# KiCad board SparkFun_BMV080_panelized.kicad_pcb (continued)
## Placement (name value [footprint] x y rotation side) (continued)
JP2#7  AB0  [Jumper_3_NC-1_Trace_NoSilk]  40.14 53.67 0 bottom
JP2#8  AB0  [Jumper_3_NC-1_Trace_NoSilk]  40.14 93.27 0 bottom
JP2#9  AB0  [Jumper_3_NC-1_Trace_NoSilk]  64.77 14.07 0 bottom
JP2#10  AB0  [Jumper_3_NC-1_Trace_NoSilk]  64.77 53.67 0 bottom
JP2#11  AB0  [Jumper_3_NC-1_Trace_NoSilk]  64.77 40.47 0 bottom
JP2#12  AB0  [Jumper_3_NC-1_Trace_NoSilk]  40.14 80.07 0 bottom
JP2#13  AB0  [Jumper_3_NC-1_Trace_NoSilk]  64.77 119.67 0 bottom
JP2#14  AB0  [Jumper_3_NC-1_Trace_NoSilk]  15.51 66.87 0 bottom
JP2#15  AB0  [Jumper_3_NC-1_Trace_NoSilk]  15.51 40.47 0 bottom
JP2#16  AB0  [Jumper_3_NC-1_Trace_NoSilk]  15.51 80.07 0 bottom
JP2#17  AB0  [Jumper_3_NC-1_Trace_NoSilk]  15.51 106.47 0 bottom
JP2#18  AB0  [Jumper_3_NC-1_Trace_NoSilk]  40.14 14.07 0 bottom
JP2#19  AB0  [Jumper_3_NC-1_Trace_NoSilk]  40.14 40.47 0 bottom
JP2#20  AB0  [Jumper_3_NC-1_Trace_NoSilk]  40.14 66.87 0 bottom
JP2#21  AB0  [Jumper_3_NC-1_Trace_NoSilk]  40.14 106.47 0 bottom
JP2#22  AB0  [Jumper_3_NC-1_Trace_NoSilk]  40.14 119.67 0 bottom
JP2#23  AB0  [Jumper_3_NC-1_Trace_NoSilk]  64.77 27.27 0 bottom
JP2#24  AB0  [Jumper_3_NC-1_Trace_NoSilk]  64.77 93.27 0 bottom
JP2#25  AB0  [Jumper_3_NC-1_Trace_NoSilk]  64.77 80.07 0 bottom
JP2#26  AB0  [Jumper_3_NC-1_Trace_NoSilk]  64.77 106.47 0 bottom
JP2#27  AB0  [Jumper_3_NC-1_Trace_NoSilk]  64.77 66.87 0 bottom
JP2#28  AB0  [Jumper_3_NC-1_Trace_NoSilk]  89.4 80.07 0 bottom
JP2#29  AB0  [Jumper_3_NC-1_Trace_NoSilk]  114.03 106.47 0 bottom
JP2#30  AB0  [Jumper_3_NC-1_Trace_NoSilk]  138.66 14.07 0 bottom
JP2#31  AB0  [Jumper_3_NC-1_Trace_NoSilk]  138.66 40.47 0 bottom
JP2#32  AB0  [Jumper_3_NC-1_Trace_NoSilk]  89.4 27.27 0 bottom
JP2#33  AB0  [Jumper_3_NC-1_Trace_NoSilk]  89.4 40.47 0 bottom
JP2#34  AB0  [Jumper_3_NC-1_Trace_NoSilk]  89.4 66.87 0 bottom
JP2#35  AB0  [Jumper_3_NC-1_Trace_NoSilk]  89.4 93.27 0 bottom
JP2#36  AB0  [Jumper_3_NC-1_Trace_NoSilk]  114.03 40.47 0 bottom
JP2#37  AB0  [Jumper_3_NC-1_Trace_NoSilk]  114.03 14.07 0 bottom
JP2#38  AB0  [Jumper_3_NC-1_Trace_NoSilk]  114.03 27.27 0 bottom
JP2#39  AB0  [Jumper_3_NC-1_Trace_NoSilk]  89.4 14.07 0 bottom
JP2#40  AB0  [Jumper_3_NC-1_Trace_NoSilk]  114.03 53.67 0 bottom
JP2#41  AB0  [Jumper_3_NC-1_Trace_NoSilk]  114.03 66.87 0 bottom
JP2#42  AB0  [Jumper_3_NC-1_Trace_NoSilk]  114.03 80.07 0 bottom
JP2#43  AB0  [Jumper_3_NC-1_Trace_NoSilk]  89.4 53.67 0 bottom
JP2#44  AB0  [Jumper_3_NC-1_Trace_NoSilk]  114.03 93.27 0 bottom
JP2#45  AB0  [Jumper_3_NC-1_Trace_NoSilk]  89.4 106.47 0 bottom
JP2#46  AB0  [Jumper_3_NC-1_Trace_NoSilk]  89.4 119.67 0 bottom
JP2#47  AB0  [Jumper_3_NC-1_Trace_NoSilk]  114.03 119.67 0 bottom
JP2#48  AB0  [Jumper_3_NC-1_Trace_NoSilk]  138.66 27.27 0 bottom
JP2#49  AB0  [Jumper_3_NC-1_Trace_NoSilk]  138.66 53.67 0 bottom
JP2#50  AB0  [Jumper_3_NC-1_Trace_NoSilk]  138.66 66.87 0 bottom
JP2#51  AB0  [Jumper_3_NC-1_Trace_NoSilk]  138.66 106.47 0 bottom
JP2#52  AB0  [Jumper_3_NC-1_Trace_NoSilk]  138.66 80.07 0 bottom
JP2#53  AB0  [Jumper_3_NC-1_Trace_NoSilk]  138.66 119.67 0 bottom
JP2#54  AB0  [Jumper_3_NC-1_Trace_NoSilk]  138.66 93.27 0 bottom
JP3  AB1  [Jumper_3_NC-1_Trace_NoSilk]  29.97 10.69 270 bottom
JP3#2  AB1  [Jumper_3_NC-1_Trace_NoSilk]  29.97 89.89 270 bottom
JP3#3  AB1  [Jumper_3_NC-1_Trace_NoSilk]  29.97 116.29 270 bottom
JP3#4  AB1  [Jumper_3_NC-1_Trace_NoSilk]  29.97 23.89 270 bottom
JP3#5  AB1  [Jumper_3_NC-1_Trace_NoSilk]  29.97 76.69 270 bottom
JP3#6  AB1  [Jumper_3_NC-1_Trace_NoSilk]  29.97 63.49 270 bottom
JP3#7  AB1  [Jumper_3_NC-1_Trace_NoSilk]  29.97 37.09 270 bottom
JP3#8  AB1  [Jumper_3_NC-1_Trace_NoSilk]  29.97 50.29 270 bottom
JP3#9  AB1  [Jumper_3_NC-1_Trace_NoSilk]  29.97 103.09 270 bottom
JP3#10  AB1  [Jumper_3_NC-1_Trace_NoSilk]  79.23 103.09 270 bottom
JP3#11  AB1  [Jumper_3_NC-1_Trace_NoSilk]  79.23 10.69 270 bottom
JP3#12  AB1  [Jumper_3_NC-1_Trace_NoSilk]  54.6 23.89 270 bottom
JP3#13  AB1  [Jumper_3_NC-1_Trace_NoSilk]  54.6 50.29 270 bottom
JP3#14  AB1  [Jumper_3_NC-1_Trace_NoSilk]  79.23 23.89 270 bottom
JP3#15  AB1  [Jumper_3_NC-1_Trace_NoSilk]  79.23 50.29 270 bottom
JP3#16  AB1  [Jumper_3_NC-1_Trace_NoSilk]  103.86 76.69 270 bottom
JP3#17  AB1  [Jumper_3_NC-1_Trace_NoSilk]  54.6 10.69 270 bottom
JP3#18  AB1  [Jumper_3_NC-1_Trace_NoSilk]  54.6 76.69 270 bottom
JP3#19  AB1  [Jumper_3_NC-1_Trace_NoSilk]  54.6 116.29 270 bottom
JP3#20  AB1  [Jumper_3_NC-1_Trace_NoSilk]  79.23 37.09 270 bottom
JP3#21  AB1  [Jumper_3_NC-1_Trace_NoSilk]  54.6 89.89 270 bottom
JP3#22  AB1  [Jumper_3_NC-1_Trace_NoSilk]  54.6 63.49 270 bottom
JP3#23  AB1  [Jumper_3_NC-1_Trace_NoSilk]  79.23 63.49 270 bottom
JP3#24  AB1  [Jumper_3_NC-1_Trace_NoSilk]  79.23 89.89 270 bottom
JP3#25  AB1  [Jumper_3_NC-1_Trace_NoSilk]  54.6 37.09 270 bottom
JP3#26  AB1  [Jumper_3_NC-1_Trace_NoSilk]  54.6 103.09 270 bottom
JP3#27  AB1  [Jumper_3_NC-1_Trace_NoSilk]  79.23 76.69 270 bottom
JP3#28  AB1  [Jumper_3_NC-1_Trace_NoSilk]  79.23 116.29 270 bottom
JP3#29  AB1  [Jumper_3_NC-1_Trace_NoSilk]  103.86 10.69 270 bottom
JP3#30  AB1  [Jumper_3_NC-1_Trace_NoSilk]  103.86 63.49 270 bottom
JP3#31  AB1  [Jumper_3_NC-1_Trace_NoSilk]  103.86 23.89 270 bottom
JP3#32  AB1  [Jumper_3_NC-1_Trace_NoSilk]  103.86 50.29 270 bottom
JP3#33  AB1  [Jumper_3_NC-1_Trace_NoSilk]  103.86 37.09 270 bottom
JP3#34  AB1  [Jumper_3_NC-1_Trace_NoSilk]  103.86 89.89 270 bottom
JP3#35  AB1  [Jumper_3_NC-1_Trace_NoSilk]  103.86 103.09 270 bottom
JP3#36  AB1  [Jumper_3_NC-1_Trace_NoSilk]  128.49 37.09 270 bottom
JP3#37  AB1  [Jumper_3_NC-1_Trace_NoSilk]  128.49 50.29 270 bottom
JP3#38  AB1  [Jumper_3_NC-1_Trace_NoSilk]  128.49 63.49 270 bottom
JP3#39  AB1  [Jumper_3_NC-1_Trace_NoSilk]  128.49 10.69 270 bottom
JP3#40  AB1  [Jumper_3_NC-1_Trace_NoSilk]  128.49 23.89 270 bottom
JP3#41  AB1  [Jumper_3_NC-1_Trace_NoSilk]  128.49 76.69 270 bottom
JP3#42  AB1  [Jumper_3_NC-1_Trace_NoSilk]  103.86 116.29 270 bottom
JP3#43  AB1  [Jumper_3_NC-1_Trace_NoSilk]  153.12 116.29 270 bottom
JP3#44  AB1  [Jumper_3_NC-1_Trace_NoSilk]  128.49 103.09 270 bottom
JP3#45  AB1  [Jumper_3_NC-1_Trace_NoSilk]  153.12 37.09 270 bottom
JP3#46  AB1  [Jumper_3_NC-1_Trace_NoSilk]  153.12 50.29 270 bottom
JP3#47  AB1  [Jumper_3_NC-1_Trace_NoSilk]  153.12 76.69 270 bottom
JP3#48  AB1  [Jumper_3_NC-1_Trace_NoSilk]  153.12 89.89 270 bottom
JP3#49  AB1  [Jumper_3_NC-1_Trace_NoSilk]  128.49 89.89 270 bottom
JP3#50  AB1  [Jumper_3_NC-1_Trace_NoSilk]  153.12 23.89 270 bottom
JP3#51  AB1  [Jumper_3_NC-1_Trace_NoSilk]  153.12 63.49 270 bottom
JP3#52  AB1  [Jumper_3_NC-1_Trace_NoSilk]  153.12 103.09 270 bottom
JP3#53  AB1  [Jumper_3_NC-1_Trace_NoSilk]  153.12 10.69 270 bottom
JP3#54  AB1  [Jumper_3_NC-1_Trace_NoSilk]  128.49 116.29 270 bottom
JP4  I2C  [Jumper_3_NC-2_Trace_NoSilk]  20.1 14.02 180 bottom
JP4#2  I2C  [Jumper_3_NC-2_Trace_NoSilk]  20.1 80.02 180 bottom
JP4#3  I2C  [Jumper_3_NC-2_Trace_NoSilk]  44.73 14.02 180 bottom
JP4#4  I2C  [Jumper_3_NC-2_Trace_NoSilk]  20.1 93.22 180 bottom
JP4#5  I2C  [Jumper_3_NC-2_Trace_NoSilk]  20.1 27.22 180 bottom
JP4#6  I2C  [Jumper_3_NC-2_Trace_NoSilk]  20.1 40.42 180 bottom
JP4#7  I2C  [Jumper_3_NC-2_Trace_NoSilk]  20.1 53.62 180 bottom
JP4#8  I2C  [Jumper_3_NC-2_Trace_NoSilk]  20.1 66.82 180 bottom
JP4#9  I2C  [Jumper_3_NC-2_Trace_NoSilk]  20.1 106.42 180 bottom
JP4#10  I2C  [Jumper_3_NC-2_Trace_NoSilk]  20.1 119.62 180 bottom
JP4#11  I2C  [Jumper_3_NC-2_Trace_NoSilk]  69.36 53.62 180 bottom
JP4#12  I2C  [Jumper_3_NC-2_Trace_NoSilk]  93.99 27.22 180 bottom
JP4#13  I2C  [Jumper_3_NC-2_Trace_NoSilk]  44.73 93.22 180 bottom
JP4#14  I2C  [Jumper_3_NC-2_Trace_NoSilk]  69.36 14.02 180 bottom
JP4#15  I2C  [Jumper_3_NC-2_Trace_NoSilk]  69.36 27.22 180 bottom
JP4#16  I2C  [Jumper_3_NC-2_Trace_NoSilk]  69.36 66.82 180 bottom
JP4#17  I2C  [Jumper_3_NC-2_Trace_NoSilk]  69.36 80.02 180 bottom
JP4#18  I2C  [Jumper_3_NC-2_Trace_NoSilk]  44.73 27.22 180 bottom
JP4#19  I2C  [Jumper_3_NC-2_Trace_NoSilk]  44.73 80.02 180 bottom
JP4#20  I2C  [Jumper_3_NC-2_Trace_NoSilk]  44.73 40.42 180 bottom
JP4#21  I2C  [Jumper_3_NC-2_Trace_NoSilk]  44.73 66.82 180 bottom
JP4#22  I2C  [Jumper_3_NC-2_Trace_NoSilk]  44.73 106.42 180 bottom
JP4#23  I2C  [Jumper_3_NC-2_Trace_NoSilk]  44.73 119.62 180 bottom
JP4#24  I2C  [Jumper_3_NC-2_Trace_NoSilk]  69.36 40.42 180 bottom
JP4#25  I2C  [Jumper_3_NC-2_Trace_NoSilk]  69.36 93.22 180 bottom
JP4#26  I2C  [Jumper_3_NC-2_Trace_NoSilk]  69.36 119.62 180 bottom
JP4#27  I2C  [Jumper_3_NC-2_Trace_NoSilk]  69.36 106.42 180 bottom
JP4#28  I2C  [Jumper_3_NC-2_Trace_NoSilk]  44.73 53.62 180 bottom
JP4#29  I2C  [Jumper_3_NC-2_Trace_NoSilk]  93.99 14.02 180 bottom
JP4#30  I2C  [Jumper_3_NC-2_Trace_NoSilk]  93.99 119.62 180 bottom
JP4#31  I2C  [Jumper_3_NC-2_Trace_NoSilk]  118.62 40.42 180 bottom
JP4#32  I2C  [Jumper_3_NC-2_Trace_NoSilk]  93.99 106.42 180 bottom
JP4#33  I2C  [Jumper_3_NC-2_Trace_NoSilk]  118.62 80.02 180 bottom
JP4#34  I2C  [Jumper_3_NC-2_Trace_NoSilk]  118.62 93.22 180 bottom
JP4#35  I2C  [Jumper_3_NC-2_Trace_NoSilk]  118.62 106.42 180 bottom
JP4#36  I2C  [Jumper_3_NC-2_Trace_NoSilk]  93.99 80.02 180 bottom
JP4#37  I2C  [Jumper_3_NC-2_Trace_NoSilk]  118.62 14.02 180 bottom
JP4#38  I2C  [Jumper_3_NC-2_Trace_NoSilk]  118.62 66.82 180 bottom
JP4#39  I2C  [Jumper_3_NC-2_Trace_NoSilk]  118.62 119.62 180 bottom
JP4#40  I2C  [Jumper_3_NC-2_Trace_NoSilk]  118.62 53.62 180 bottom
JP4#41  I2C  [Jumper_3_NC-2_Trace_NoSilk]  93.99 53.62 180 bottom
JP4#42  I2C  [Jumper_3_NC-2_Trace_NoSilk]  118.62 27.22 180 bottom
JP4#43  I2C  [Jumper_3_NC-2_Trace_NoSilk]  143.25 14.02 180 bottom
JP4#44  I2C  [Jumper_3_NC-2_Trace_NoSilk]  143.25 27.22 180 bottom
JP4#45  I2C  [Jumper_3_NC-2_Trace_NoSilk]  93.99 66.82 180 bottom
JP4#46  I2C  [Jumper_3_NC-2_Trace_NoSilk]  93.99 40.42 180 bottom
JP4#47  I2C  [Jumper_3_NC-2_Trace_NoSilk]  93.99 93.22 180 bottom
JP4#48  I2C  [Jumper_3_NC-2_Trace_NoSilk]  143.25 80.02 180 bottom
JP4#49  I2C  [Jumper_3_NC-2_Trace_NoSilk]  143.25 53.62 180 bottom
JP4#50  I2C  [Jumper_3_NC-2_Trace_NoSilk]  143.25 119.62 180 bottom
JP4#51  I2C  [Jumper_3_NC-2_Trace_NoSilk]  143.25 106.42 180 bottom
JP4#52  I2C  [Jumper_3_NC-2_Trace_NoSilk]  143.25 40.42 180 bottom
JP4#53  I2C  [Jumper_3_NC-2_Trace_NoSilk]  143.25 66.82 180 bottom
JP4#54  I2C  [Jumper_3_NC-2_Trace_NoSilk]  143.25 93.22 180 bottom
kibuzzard-66BFB450  G***  [kibuzzard-66BFB450]  45.99 45.09 0 top
kibuzzard-66BFB450#2  G***  [kibuzzard-66BFB450]  21.36 97.89 0 top
kibuzzard-66BFB450#3  G***  [kibuzzard-66BFB450]  45.99 84.69 0 top
kibuzzard-66BFB450#4  G***  [kibuzzard-66BFB450]  21.36 124.29 0 top
kibuzzard-66BFB450#5  G***  [kibuzzard-66BFB450]  70.62 18.69 0 top
kibuzzard-66BFB450#6  G***  [kibuzzard-66BFB450]  21.36 84.69 0 top
kibuzzard-66BFB450#7  G***  [kibuzzard-66BFB450]  21.36 71.49 0 top
kibuzzard-66BFB450#8  G***  [kibuzzard-66BFB450]  21.36 111.09 0 top
kibuzzard-66BFB450#9  G***  [kibuzzard-66BFB450]  45.99 31.89 0 top
kibuzzard-66BFB450#10  G***  [kibuzzard-66BFB450]  21.36 31.89 0 top
kibuzzard-66BFB450#11  G***  [kibuzzard-66BFB450]  21.36 45.09 0 top
kibuzzard-66BFB450#12  G***  [kibuzzard-66BFB450]  21.36 58.29 0 top
kibuzzard-66BFB450#13  G***  [kibuzzard-66BFB450]  45.99 18.69 0 top
kibuzzard-66BFB450#14  G***  [kibuzzard-66BFB450]  45.99 58.29 0 top
kibuzzard-66BFB450#15  G***  [kibuzzard-66BFB450]  45.99 71.49 0 top
kibuzzard-66BFB450#16  G***  [kibuzzard-66BFB450]  45.99 97.89 0 top
kibuzzard-66BFB450#17  G***  [kibuzzard-66BFB450]  45.99 111.09 0 top
kibuzzard-66BFB450#18  G***  [kibuzzard-66BFB450]  45.99 124.29 0 top
kibuzzard-66BFB450#19  G***  [kibuzzard-66BFB450]  95.25 45.09 0 top
kibuzzard-66BFB450#20  G***  [kibuzzard-66BFB450]  95.25 97.89 0 top
kibuzzard-66BFB450#21  G***  [kibuzzard-66BFB450]  95.25 31.89 0 top
kibuzzard-66BFB450#22  G***  [kibuzzard-66BFB450]  95.25 58.29 0 top
kibuzzard-66BFB450#23  G***  [kibuzzard-66BFB450]  119.88 58.29 0 top
kibuzzard-66BFB450#24  G***  [kibuzzard-66BFB450]  119.88 84.69 0 top
kibuzzard-66BFB450#25  G***  [kibuzzard-66BFB450]  70.62 71.49 0 top
kibuzzard-66BFB450#26  G***  [kibuzzard-66BFB450]  95.25 18.69 0 top
kibuzzard-66BFB450#27  G***  [kibuzzard-66BFB450]  70.62 111.09 0 top
kibuzzard-66BFB450#28  G***  [kibuzzard-66BFB450]  70.62 124.29 0 top
kibuzzard-66BFB450#29  G***  [kibuzzard-66BFB450]  70.62 31.89 0 top
kibuzzard-66BFB450#30  G***  [kibuzzard-66BFB450]  70.62 58.29 0 top
kibuzzard-66BFB450#31  G***  [kibuzzard-66BFB450]  95.25 124.29 0 top
kibuzzard-66BFB450#32  G***  [kibuzzard-66BFB450]  95.25 71.49 0 top
kibuzzard-66BFB450#33  G***  [kibuzzard-66BFB450]  119.88 18.69 0 top
kibuzzard-66BFB450#34  G***  [kibuzzard-66BFB450]  70.62 45.09 0 top
kibuzzard-66BFB450#35  G***  [kibuzzard-66BFB450]  70.62 97.89 0 top
kibuzzard-66BFB450#36  G***  [kibuzzard-66BFB450]  70.62 84.69 0 top
kibuzzard-66BFB450#37  G***  [kibuzzard-66BFB450]  95.25 84.69 0 top
kibuzzard-66BFB450#38  G***  [kibuzzard-66BFB450]  95.25 111.09 0 top
kibuzzard-66BFB450#39  G***  [kibuzzard-66BFB450]  119.88 31.89 0 top
kibuzzard-66BFB450#40  G***  [kibuzzard-66BFB450]  119.88 45.09 0 top
kibuzzard-66BFB450#41  G***  [kibuzzard-66BFB450]  119.88 71.49 0 top
kibuzzard-66BFB450#42  G***  [kibuzzard-66BFB450]  144.51 111.09 0 top
kibuzzard-66BFB450#43  G***  [kibuzzard-66BFB450]  144.51 84.69 0 top
kibuzzard-66BFB450#44  G***  [kibuzzard-66BFB450]  119.88 97.89 0 top
kibuzzard-66BFB450#45  G***  [kibuzzard-66BFB450]  119.88 111.09 0 top
kibuzzard-66BFB450#46  G***  [kibuzzard-66BFB450]  144.51 18.69 0 top
kibuzzard-66BFB450#47  G***  [kibuzzard-66BFB450]  119.88 124.29 0 top
kibuzzard-66BFB450#48  G***  [kibuzzard-66BFB450]  144.51 31.89 0 top
kibuzzard-66BFB450#49  G***  [kibuzzard-66BFB450]  144.51 45.09 0 top
kibuzzard-66BFB450#50  G***  [kibuzzard-66BFB450]  144.51 58.29 0 top
kibuzzard-66BFB450#51  G***  [kibuzzard-66BFB450]  144.51 97.89 0 top
kibuzzard-66BFB450#52  G***  [kibuzzard-66BFB450]  144.51 71.49 0 top
kibuzzard-66BFB450#53  G***  [kibuzzard-66BFB450]  144.51 124.29 0 top
kibuzzard-66BFB450#54  G***  [kibuzzard-66BFB450]  21.36 18.69 0 top
kibuzzard-66BFBF9D  G***  [kibuzzard-66BFBF9D]  46.05 50.62 90 top
kibuzzard-66BFBF9D#2  G***  [kibuzzard-66BFBF9D]  144.57 103.42 90 top
kibuzzard-66BFBF9D#3  G***  [kibuzzard-66BFBF9D]  144.57 77.02 90 top
kibuzzard-66BFBF9D#4  G***  [kibuzzard-66BFBF9D]  144.57 116.62 90 top
kibuzzard-66BFBF9D#5  G***  [kibuzzard-66BFBF9D]  144.57 90.22 90 top
kibuzzard-66BFBF9D#6  G***  [kibuzzard-66BFBF9D]  119.94 103.42 90 top
kibuzzard-66BFBF9D#7  G***  [kibuzzard-66BFBF9D]  119.94 77.02 90 top
kibuzzard-66BFBF9D#8  G***  [kibuzzard-66BFBF9D]  119.94 116.62 90 top
kibuzzard-66BFBF9D#9  G***  [kibuzzard-66BFBF9D]  144.57 37.42 90 top
kibuzzard-66BFBF9D#10  G***  [kibuzzard-66BFBF9D]  119.94 90.22 90 top
kibuzzard-66BFBF9D#11  G***  [kibuzzard-66BFBF9D]  144.57 24.22 90 top
kibuzzard-66BFBF9D#12  G***  [kibuzzard-66BFBF9D]  144.57 11.02 90 top
kibuzzard-66BFBF9D#13  G***  [kibuzzard-66BFBF9D]  144.57 50.62 90 top
kibuzzard-66BFBF9D#14  G***  [kibuzzard-66BFBF9D]  144.57 63.82 90 top
kibuzzard-66BFBF9D#15  G***  [kibuzzard-66BFBF9D]  21.42 24.22 90 top
kibuzzard-66BFBF9D#16  G***  [kibuzzard-66BFBF9D]  21.42 50.62 90 top
kibuzzard-66BFBF9D#17  G***  [kibuzzard-66BFBF9D]  21.42 37.42 90 top
kibuzzard-66BFBF9D#18  G***  [kibuzzard-66BFBF9D]  46.05 37.42 90 top
kibuzzard-66BFBF9D#19  G***  [kibuzzard-66BFBF9D]  46.05 24.22 90 top
kibuzzard-66BFBF9D#20  G***  [kibuzzard-66BFBF9D]  46.05 90.22 90 top
kibuzzard-66BFBF9D#21  G***  [kibuzzard-66BFBF9D]  21.42 116.62 90 top
kibuzzard-66BFBF9D#22  G***  [kibuzzard-66BFBF9D]  46.05 116.62 90 top
kibuzzard-66BFBF9D#23  G***  [kibuzzard-66BFBF9D]  21.42 63.82 90 top
kibuzzard-66BFBF9D#24  G***  [kibuzzard-66BFBF9D]  21.42 77.02 90 top
kibuzzard-66BFBF9D#25  G***  [kibuzzard-66BFBF9D]  21.42 103.42 90 top
kibuzzard-66BFBF9D#26  G***  [kibuzzard-66BFBF9D]  46.05 11.02 90 top
kibuzzard-66BFBF9D#27  G***  [kibuzzard-66BFBF9D]  46.05 63.82 90 top
kibuzzard-66BFBF9D#28  G***  [kibuzzard-66BFBF9D]  21.42 90.22 90 top
kibuzzard-66BFBF9D#29  G***  [kibuzzard-66BFBF9D]  46.05 77.02 90 top
kibuzzard-66BFBF9D#30  G***  [kibuzzard-66BFBF9D]  70.68 50.62 90 top
kibuzzard-66BFBF9D#31  G***  [kibuzzard-66BFBF9D]  46.05 103.42 90 top
kibuzzard-66BFBF9D#32  G***  [kibuzzard-66BFBF9D]  70.68 11.02 90 top
kibuzzard-66BFBF9D#33  G***  [kibuzzard-66BFBF9D]  70.68 37.42 90 top
kibuzzard-66BFBF9D#34  G***  [kibuzzard-66BFBF9D]  70.68 24.22 90 top
kibuzzard-66BFBF9D#35  G***  [kibuzzard-66BFBF9D]  119.94 11.02 90 top
kibuzzard-66BFBF9D#36  G***  [kibuzzard-66BFBF9D]  119.94 50.62 90 top
kibuzzard-66BFBF9D#37  G***  [kibuzzard-66BFBF9D]  95.31 77.02 90 top
kibuzzard-66BFBF9D#38  G***  [kibuzzard-66BFBF9D]  119.94 24.22 90 top
kibuzzard-66BFBF9D#39  G***  [kibuzzard-66BFBF9D]  95.31 90.22 90 top
kibuzzard-66BFBF9D#40  G***  [kibuzzard-66BFBF9D]  119.94 63.82 90 top
kibuzzard-66BFBF9D#41  G***  [kibuzzard-66BFBF9D]  70.68 77.02 90 top
kibuzzard-66BFBF9D#42  G***  [kibuzzard-66BFBF9D]  70.68 90.22 90 top
kibuzzard-66BFBF9D#43  G***  [kibuzzard-66BFBF9D]  70.68 116.62 90 top
kibuzzard-66BFBF9D#44  G***  [kibuzzard-66BFBF9D]  95.31 37.42 90 top
kibuzzard-66BFBF9D#45  G***  [kibuzzard-66BFBF9D]  95.31 50.62 90 top
kibuzzard-66BFBF9D#46  G***  [kibuzzard-66BFBF9D]  70.68 103.42 90 top
kibuzzard-66BFBF9D#47  G***  [kibuzzard-66BFBF9D]  95.31 24.22 90 top
kibuzzard-66BFBF9D#48  G***  [kibuzzard-66BFBF9D]  95.31 63.82 90 top
kibuzzard-66BFBF9D#49  G***  [kibuzzard-66BFBF9D]  95.31 103.42 90 top
kibuzzard-66BFBF9D#50  G***  [kibuzzard-66BFBF9D]  95.31 116.62 90 top
kibuzzard-66BFBF9D#51  G***  [kibuzzard-66BFBF9D]  70.68 63.82 90 top
kibuzzard-66BFBF9D#52  G***  [kibuzzard-66BFBF9D]  95.31 11.02 90 top
kibuzzard-66BFBF9D#53  G***  [kibuzzard-66BFBF9D]  119.94 37.42 90 top
kibuzzard-66BFBF9D#54  G***  [kibuzzard-66BFBF9D]  21.42 11.02 90 top
kibuzzard-66BFBF9D#55  G***  [kibuzzard-66BFBF9D]  21.45 11.01 90 bottom
kibuzzard-66BFBF9D#56  G***  [kibuzzard-66BFBF9D]  21.45 103.41 90 bottom
kibuzzard-66BFBF9D#57  G***  [kibuzzard-66BFBF9D]  70.71 11.01 90 bottom
kibuzzard-66BFBF9D#58  G***  [kibuzzard-66BFBF9D]  21.45 90.21 90 bottom
kibuzzard-66BFBF9D#59  G***  [kibuzzard-66BFBF9D]  46.08 37.41 90 bottom
kibuzzard-66BFBF9D#60  G***  [kibuzzard-66BFBF9D]  46.08 103.41 90 bottom
kibuzzard-66BFBF9D#61  G***  [kibuzzard-66BFBF9D]  21.45 24.21 90 bottom
kibuzzard-66BFBF9D#62  G***  [kibuzzard-66BFBF9D]  21.45 77.01 90 bottom
kibuzzard-66BFBF9D#63  G***  [kibuzzard-66BFBF9D]  21.45 50.61 90 bottom
kibuzzard-66BFBF9D#64  G***  [kibuzzard-66BFBF9D]  21.45 116.61 90 bottom
kibuzzard-66BFBF9D#65  G***  [kibuzzard-66BFBF9D]  46.08 50.61 90 bottom
kibuzzard-66BFBF9D#66  G***  [kibuzzard-66BFBF9D]  46.08 63.81 90 bottom
kibuzzard-66BFBF9D#67  G***  [kibuzzard-66BFBF9D]  46.08 77.01 90 bottom
kibuzzard-66BFBF9D#68  G***  [kibuzzard-66BFBF9D]  46.08 116.61 90 bottom
kibuzzard-66BFBF9D#69  G***  [kibuzzard-66BFBF9D]  21.45 63.81 90 bottom
kibuzzard-66BFBF9D#70  G***  [kibuzzard-66BFBF9D]  70.71 24.21 90 bottom
kibuzzard-66BFBF9D#71  G***  [kibuzzard-66BFBF9D]  21.45 37.41 90 bottom
kibuzzard-66BFBF9D#72  G***  [kibuzzard-66BFBF9D]  46.08 11.01 90 bottom
kibuzzard-66BFBF9D#73  G***  [kibuzzard-66BFBF9D]  46.08 90.21 90 bottom
kibuzzard-66BFBF9D#74  G***  [kibuzzard-66BFBF9D]  46.08 24.21 90 bottom
kibuzzard-66BFBF9D#75  G***  [kibuzzard-66BFBF9D]  70.71 63.81 90 bottom
kibuzzard-66BFBF9D#76  G***  [kibuzzard-66BFBF9D]  70.71 77.01 90 bottom
kibuzzard-66BFBF9D#77  G***  [kibuzzard-66BFBF9D]  70.71 103.41 90 bottom
kibuzzard-66BFBF9D#78  G***  [kibuzzard-66BFBF9D]  95.34 50.61 90 bottom
kibuzzard-66BFBF9D#79  G***  [kibuzzard-66BFBF9D]  119.97 24.21 90 bottom
kibuzzard-66BFBF9D#80  G***  [kibuzzard-66BFBF9D]  70.71 37.41 90 bottom
kibuzzard-66BFBF9D#81  G***  [kibuzzard-66BFBF9D]  95.34 103.41 90 bottom
kibuzzard-66BFBF9D#82  G***  [kibuzzard-66BFBF9D]  119.97 11.01 90 bottom
kibuzzard-66BFBF9D#83  G***  [kibuzzard-66BFBF9D]  70.71 50.61 90 bottom
kibuzzard-66BFBF9D#84  G***  [kibuzzard-66BFBF9D]  95.34 63.81 90 bottom
kibuzzard-66BFBF9D#85  G***  [kibuzzard-66BFBF9D]  144.6 37.41 90 bottom
kibuzzard-66BFBF9D#86  G***  [kibuzzard-66BFBF9D]  95.34 116.61 90 bottom
kibuzzard-66BFBF9D#87  G***  [kibuzzard-66BFBF9D]  119.97 63.81 90 bottom
kibuzzard-66BFBF9D#88  G***  [kibuzzard-66BFBF9D]  95.34 77.01 90 bottom
kibuzzard-66BFBF9D#89  G***  [kibuzzard-66BFBF9D]  119.97 37.41 90 bottom
kibuzzard-66BFBF9D#90  G***  [kibuzzard-66BFBF9D]  70.71 90.21 90 bottom
kibuzzard-66BFBF9D#91  G***  [kibuzzard-66BFBF9D]  119.97 50.61 90 bottom
kibuzzard-66BFBF9D#92  G***  [kibuzzard-66BFBF9D]  70.71 116.61 90 bottom
kibuzzard-66BFBF9D#93  G***  [kibuzzard-66BFBF9D]  95.34 11.01 90 bottom
kibuzzard-66BFBF9D#94  G***  [kibuzzard-66BFBF9D]  95.34 24.21 90 bottom
kibuzzard-66BFBF9D#95  G***  [kibuzzard-66BFBF9D]  95.34 37.41 90 bottom
kibuzzard-66BFBF9D#96  G***  [kibuzzard-66BFBF9D]  95.34 90.21 90 bottom
kibuzzard-66BFBF9D#97  G***  [kibuzzard-66BFBF9D]  119.97 77.01 90 bottom
kibuzzard-66BFBF9D#98  G***  [kibuzzard-66BFBF9D]  119.97 90.21 90 bottom
kibuzzard-66BFBF9D#99  G***  [kibuzzard-66BFBF9D]  119.97 103.41 90 bottom
kibuzzard-66BFBF9D#100  G***  [kibuzzard-66BFBF9D]  119.97 116.61 90 bottom
kibuzzard-66BFBF9D#101  G***  [kibuzzard-66BFBF9D]  144.6 11.01 90 bottom
kibuzzard-66BFBF9D#102  G***  [kibuzzard-66BFBF9D]  144.6 24.21 90 bottom
kibuzzard-66BFBF9D#103  G***  [kibuzzard-66BFBF9D]  144.6 116.61 90 bottom
kibuzzard-66BFBF9D#104  G***  [kibuzzard-66BFBF9D]  144.6 50.61 90 bottom
kibuzzard-66BFBF9D#105  G***  [kibuzzard-66BFBF9D]  144.6 103.41 90 bottom
kibuzzard-66BFBF9D#106  G***  [kibuzzard-66BFBF9D]  144.6 63.81 90 bottom
kibuzzard-66BFBF9D#107  G***  [kibuzzard-66BFBF9D]  144.6 90.21 90 bottom
kibuzzard-66BFBF9D#108  G***  [kibuzzard-66BFBF9D]  144.6 77.01 90 bottom
kibuzzard-66BFBF23  G***  [kibuzzard-66BFBF23]  18.88 24.54 90 top
kibuzzard-66BFBF23#2  G***  [kibuzzard-66BFBF23]  18.88 116.94 90 top
kibuzzard-66BFBF23#3  G***  [kibuzzard-66BFBF23]  18.88 37.74 90 top
kibuzzard-66BFBF23#4  G***  [kibuzzard-66BFBF23]  18.88 50.94 90 top
kibuzzard-66BFBF23#5  G***  [kibuzzard-66BFBF23]  18.88 64.14 90 top
kibuzzard-66BFBF23#6  G***  [kibuzzard-66BFBF23]  18.88 77.34 90 top
kibuzzard-66BFBF23#7  G***  [kibuzzard-66BFBF23]  18.88 90.54 90 top
kibuzzard-66BFBF23#8  G***  [kibuzzard-66BFBF23]  18.88 103.74 90 top
kibuzzard-66BFBF23#9  G***  [kibuzzard-66BFBF23]  43.51 24.54 90 top
kibuzzard-66BFBF23#10  G***  [kibuzzard-66BFBF23]  43.51 103.74 90 top
kibuzzard-66BFBF23#11  G***  [kibuzzard-66BFBF23]  43.51 37.74 90 top
kibuzzard-66BFBF23#12  G***  [kibuzzard-66BFBF23]  43.51 77.34 90 top
kibuzzard-66BFBF23#13  G***  [kibuzzard-66BFBF23]  43.51 50.94 90 top
kibuzzard-66BFBF23#14  G***  [kibuzzard-66BFBF23]  92.77 64.14 90 top
kibuzzard-66BFBF23#15  G***  [kibuzzard-66BFBF23]  43.51 90.54 90 top
kibuzzard-66BFBF23#16  G***  [kibuzzard-66BFBF23]  68.14 24.54 90 top
kibuzzard-66BFBF23#17  G***  [kibuzzard-66BFBF23]  68.14 37.74 90 top
kibuzzard-66BFBF23#18  G***  [kibuzzard-66BFBF23]  68.14 64.14 90 top
kibuzzard-66BFBF23#19  G***  [kibuzzard-66BFBF23]  68.14 77.34 90 top
kibuzzard-66BFBF23#20  G***  [kibuzzard-66BFBF23]  68.14 103.74 90 top
kibuzzard-66BFBF23#21  G***  [kibuzzard-66BFBF23]  68.14 50.94 90 top
kibuzzard-66BFBF23#22  G***  [kibuzzard-66BFBF23]  68.14 11.34 90 top
kibuzzard-66BFBF23#23  G***  [kibuzzard-66BFBF23]  43.51 11.34 90 top
kibuzzard-66BFBF23#24  G***  [kibuzzard-66BFBF23]  68.14 90.54 90 top
kibuzzard-66BFBF23#25  G***  [kibuzzard-66BFBF23]  92.77 11.34 90 top
kibuzzard-66BFBF23#26  G***  [kibuzzard-66BFBF23]  92.77 24.54 90 top
kibuzzard-66BFBF23#27  G***  [kibuzzard-66BFBF23]  43.51 64.14 90 top
kibuzzard-66BFBF23#28  G***  [kibuzzard-66BFBF23]  68.14 116.94 90 top
kibuzzard-66BFBF23#29  G***  [kibuzzard-66BFBF23]  92.77 37.74 90 top
kibuzzard-66BFBF23#30  G***  [kibuzzard-66BFBF23]  92.77 50.94 90 top
kibuzzard-66BFBF23#31  G***  [kibuzzard-66BFBF23]  43.51 116.94 90 top
kibuzzard-66BFBF23#32  G***  [kibuzzard-66BFBF23]  117.4 50.94 90 top
kibuzzard-66BFBF23#33  G***  [kibuzzard-66BFBF23]  92.77 90.54 90 top
kibuzzard-66BFBF23#34  G***  [kibuzzard-66BFBF23]  92.77 103.74 90 top
kibuzzard-66BFBF23#35  G***  [kibuzzard-66BFBF23]  117.4 24.54 90 top
kibuzzard-66BFBF23#36  G***  [kibuzzard-66BFBF23]  117.4 64.14 90 top
kibuzzard-66BFBF23#37  G***  [kibuzzard-66BFBF23]  92.77 116.94 90 top
kibuzzard-66BFBF23#38  G***  [kibuzzard-66BFBF23]  117.4 77.34 90 top
kibuzzard-66BFBF23#39  G***  [kibuzzard-66BFBF23]  117.4 90.54 90 top
kibuzzard-66BFBF23#40  G***  [kibuzzard-66BFBF23]  117.4 103.74 90 top
kibuzzard-66BFBF23#41  G***  [kibuzzard-66BFBF23]  142.03 11.34 90 top
kibuzzard-66BFBF23#42  G***  [kibuzzard-66BFBF23]  117.4 116.94 90 top
kibuzzard-66BFBF23#43  G***  [kibuzzard-66BFBF23]  142.03 24.54 90 top
kibuzzard-66BFBF23#44  G***  [kibuzzard-66BFBF23]  92.77 77.34 90 top